# Altium PCB BSU.PcbDoc (part 1 of 3) (continued)
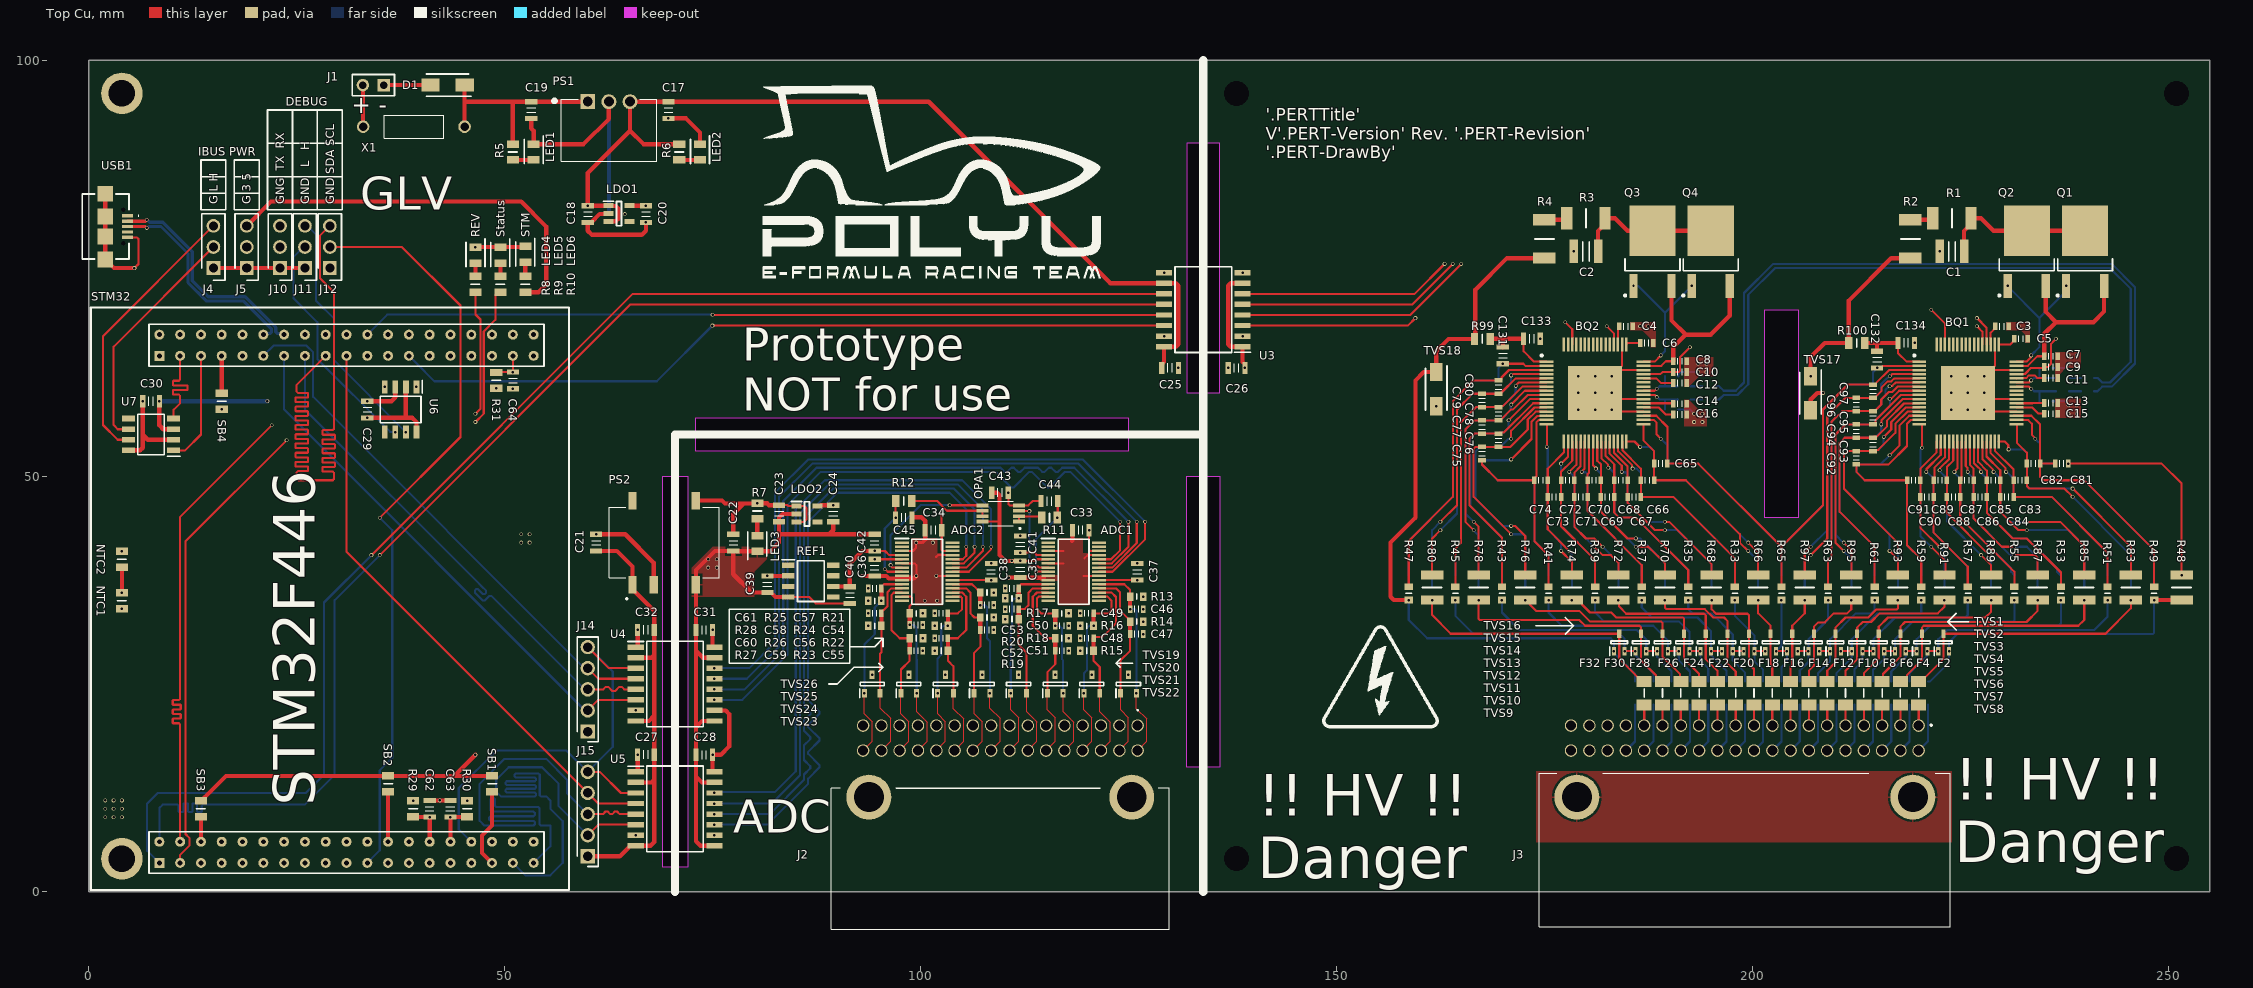
[diagram p0: Top Cu view]
## Classes and differential pairs
net class CAN2_DIFF: CAN_DBG_H CAN_DBG_L
net class CAN1_DIFF: CAN_IBUS_H CAN_IBUS_L
net class UART1_HV: BQ796XX_RX_HV BQ796XX_TX_HV
net class EADC2_HV: ADC2_MISO ADC2_MOSI ADC2_SCK
net class EADC1_HV: ADC1_MISO ADC1_MOSI ADC1_SCK
net class BQ_DAISY: BQ1_DAISY_N BQ1_DAISY_P BQ1_S_N BQ1_S_P BQ2_DAISY_N BQ2_DAISY_P BQ2_S_N BQ2_S_P BQ_ISO_N BQ_ISO_P
differential pair class BQ_DAISY: BQ1_DAISY BQ1_S BQ2_DAISY BQ2_S BQ_ISO
net class UART2: UART_DBG_RX UART_DBG_TX
net class SWD: NRST SWD_CLK SWD_IO SWD_TRACE
net class RTD: RTD0+ RTD1+ RTD2+ RTD3+ RTD4+ RTD5+ RTD6+ RTD7+ RTD8+ RTD9+ RTD10+ RTD11+ RTD12+ RTD13+ RTD14+ RTD15+
net class I2C: I2C_SCL I2C_SDA
net class EADC2: EADC2_MISO EADC2_MOSI EADC2_SCK
net class CAN2: CAN_DBG_RX CAN_DBG_TX
net class CAN1: CAN_IBUS_RX CAN_IBUS_TX
net class EADC1: EADC1_MISO EADC1_MOSI EADC1_SCK
net class USB: USB_N USB_P
net class BT: BT0 BT0_F BT1 BT1_F BT2 BT2_F BT3 BT3_F BT4 BT4_F BT5 BT5_F BT6 BT6_F BT7 BT7_F BT8 BT8_F BT9 BT9_F BT10 BT10_F BT11 BT11_F BT12 BT12_F BT13 BT13_F BT14 BT14_F BT15 BT15_F BT16 BT16_F BT17 BT17_F BT18 BT18_F BT19 BT19_F BT20 BT20_F BT21 BT21_F BT22 BT22_F BT23 BT23_F BT24 BT24_F BT25 BT25_F BT26 BT26_F BT27 BT27_F BT28 BT28_F BT29 BT29_F BT30 BT30_F BT31 BT31_F BT32 BT32_F CB0 CB1 CB2 CB3 CB4 CB5 CB6 CB7 CB8 CB9 CB10 CB11 CB12 CB13 CB14 CB15 CB16 CB17 CB18 CB19 CB20 CB21 CB22 CB23 CB24 CB25 CB26 CB27 CB28 CB29 CB30 CB31 CB32 VC0 VC1 VC2 VC3 VC4 VC5 VC6 VC7 VC8 VC9 VC10 VC11 VC12 VC13 VC14 VC15 VC16 VC17 VC18 VC19 VC20 VC21 VC22 VC23 VC24 VC25 VC26 VC27 VC28 VC29 VC30 VC31 VC32
component class BSU_Sensing: C65 C66 C67 C68 C69 C70 C71 C72 C73 C74 C75 C76 C77 C78 C79 C80 C81 C82 C83 C84 C85 C86 C87 C88 C89 C90 C91 C92 C93 C94 C95 C96 C97 C98 C99 C100 C101 C102 C103 C104 C105 C106 C107 C108 C109 C110 C111 C112 C113 C114 C115 C116 C117 C118 C119 C120 C121 C122 C123 C124 C125 C126 C127 C128 C129 C130 C131 C132 C133 C134 F1 F2 F3 F4 F5 F6 F7 F8 F9 F10 F11 F12 F13 F14 F15 F16 F17 F18 F19 F20 F21 F22 F23 F24 F25 F26 F27 F28 F29 F30 F31 F32 F33 R32 R33 R34 R35 R36 R37 R38 R39 R40 R41 R42 R43 R44 R45 R46 R47 R48 R49 R50 R51 R52 R53 R54 R55 R56 R57 R58 R59 R60 R61 R62 R63 R64 R65 R66 R67 R68 R69 R70 R71 R72 R73 R74 R75 R76 R77 R78 R79 R80 R81 R82 R83 R84 R85 R86 R87 R88 R89 R90 R91 R92 R93 R94 R95 R96 R97 R98 R99 R100
component class BSU_RTD: C46 C47 C48 C49 C50 C51 C52 C53 C54 C55 C56 C57 C58 C59 C60 C61 C62 C63 C64 NTC1 NTC2 NTC3 R13 R14 R15 R16 R17 R18 R19 R20 R21 R22 R23 R24 R25 R26 R27 R28 R29 R30 R31
component class BSU_Power: C17 C18 C19 C20 C21 C22 C23 C24 D1 LDO1 LDO2 LED1 LED2 LED3 LED4 LED5 LED6 PS1 PS2 R5 R6 R7 R8 R9 R10 X1
component class BSU_ESD: TVS1 TVS2 TVS3 TVS4 TVS5 TVS6 TVS7 TVS8 TVS9 TVS10 TVS11 TVS12 TVS13 TVS14 TVS15 TVS16 TVS17 TVS18 TVS19 TVS20 TVS21 TVS22 TVS23 TVS24 TVS25 TVS26
component class BSU_EADC: ADC1 ADC2 C33 C34 C35 C36 C37 C38 C39 C40 C41 C42 C43 C44 C45 OPA1 R11 R12 REF1
component class BSU_Connector: J1 J2 J3 J4 J5 J10 J11 J12 J14 J15 SB1 SB2 SB3 SB4 STM32 USB1
component class BSU_Comm: C25 C26 C27 C28 C29 C30 C31 C32 C135 C136 C137 C138 C139 C140 C141 C142 R101 R102 R103 R104 R105 R106 U3 U4 U5 U6 U7
component class BSU_BQ796XX: BQ1 BQ2 C1 C2 C3 C4 C5 C6 C7 C8 C9 C10 C11 C12 C13 C14 C15 C16 Q1 Q2 Q3 Q4 R1 R2 R3 R4
differential pair BQ2_S: +BQ2_S_P -BQ2_S_N
differential pair BQ_ISO: +BQ_ISO_P -BQ_ISO_N
differential pair BQ1_S: +BQ1_S_P -BQ1_S_N
differential pair BQ1_DAISY: +BQ1_DAISY_P -BQ1_DAISY_N
differential pair BQ2_DAISY: +BQ2_DAISY_P -BQ2_DAISY_N
differential pair USB: +USB_P -USB_N

## Components (designator, comment, footprint, x,y, rotation, side; value= is the part's Value field where it differs from the comment)
ADC1 "ADS7951QDBTRQ1" TSSOP30_ADS7951 118.4,38.5 r0 top
ADC2 "ADS7951QDBTRQ1" TSSOP30_ADS7951 100.8,38.5 r0 top
BQ1 "BQ79616PAPR" HTQFP65_BQ79616 225.9,60 r0 top locked
BQ2 "BQ79616PAPR" HTQFP65_BQ79616 181.1,60 r0 top locked
C1 "220n" 1210_SMD_C 224,77 r180 top
C2 "220n" 1210_SMD_C 180,77 r180 top
C3 "1u" 0603_SMD_C 230,68 r0 top
C4 "1u" 0603_SMD_C 184.8,68 r0 top
C5 "2.2u" 0603_SMD_C 232.3,66.5 r0 top
C6 "2.2u" 0603_SMD_C 187.3,66 r0 top
C7 "0.1u" 0603_SMD_C 235.9,64.4 r180 top
C8 "0.1u" 0603_SMD_C 191.3,63.8 r180 top
C9 "4.7u" 0603_SMD_C 235.9,63.1 r0 top
C10 "4.7u" 0603_SMD_C 191.3,62.5 r0 top
C11 "0.1u" 0603_SMD_C 235.9,61.8 r180 top
C12 "0.1u" 0603_SMD_C 191.3,61.2 r180 top
C13 "1u" 0603_SMD_C 235.9,58.8 r180 top
C14 "1u" 0603_SMD_C 191.3,58.7 r180 top
C15 "1u" 0603_SMD_C 235.9,57.5 r180 top
C16 "1u" 0603_SMD_C 191.3,57.4 r180 top
C17 "22u" 0805_SMD_C 69.7,94 r90 top
C18 "1u" 0805_SMD_C 60,81.5 r90 top
C19 "10u" 0805_SMD_C 53.2,94 r90 top
C20 "1u" 0805_SMD_C 67,81.5 r90 top
C21 "1u" 0805_SMD_C 61,42 r90 top
C22 "10u" 0805_SMD_C 77.5,42 r90 top
C23 "1u" 0805_SMD_C 83,45.5 r90 top
C24 "1u" 0805_SMD_C 89.5,45.5 r90 top
C25 "100n" 0805_SMD_C 130,63 r180 top
C26 "100n" 0805_SMD_C 138,63 r0 top
C27 "100n" 0805_SMD_C 67,16.5 r180 top locked
C28 "100n" 0805_SMD_C 74,16.5 r0 top locked
C29 "100n" 0805_SMD_C 33.5,58 r90 top
C30 "100n" 0805_SMD_C 7.5,59 r0 top
C31 "100n" 0805_SMD_C 74,31.5 r0 top locked
C32 "100n" 0805_SMD_C 67,31.5 r180 top locked
C33 "1u" 0805_SMD_C 119.262,43.5 r180 top
C34 "1u" 0805_SMD_C 101.562,43.5 r180 top
C35 "1u" 0805_SMD_C 112,38.8 r270 top
C36 "1u" 0805_SMD_C 94.5,39 r270 top
C37 "1u" 0805_SMD_C 126.062,38.5 r270 top
C38 "1u" 0805_SMD_C 108.5,38.5 r270 top
C39 "1u" 0805_SMD_C 81.6,37 r270 top
C40 "22u" 0805_SMD_C 91.5,35.7 r90 top
C41 "10u" 0805_SMD_C 112,41.8 r270 top
C42 "10u" 0805_SMD_C 94.5,42 r270 top
C43 "10u" 0805_SMD_C 109.558,48.006 r180 top
C44 "150p" 0805_SMD_C 115.5,47 r0 top
C45 "150p" 0805_SMD_C 98,45 r180 top
C46 "150p" 0603_SMD_C 126,34 r180 top
C47 "150p" 0603_SMD_C 126,31 r180 top
C48 "150p" 0603_SMD_C 120,30.5 r0 top
C49 "150p" 0603_SMD_C 120,33.5 r0 top
C50 "150p" 0603_SMD_C 117,32 r180 top
C51 "150p" 0603_SMD_C 117,29 r180 top
C52 "150p" 0603_SMD_C 111,34 r0 top
C53 "150p" 0603_SMD_C 111,36.5 r0 top
C54 "150p" 0603_SMD_C 108,34.5 r180 top
C55 "150p" 0603_SMD_C 108,31.5 r180 top
C56 "150p" 0603_SMD_C 102.5,30.5 r0 top
C57 "150p" 0603_SMD_C 102.5,33.5 r0 top
C58 "150p" 0603_SMD_C 99.5,32.1 r180 top
C59 "150p" 0603_SMD_C 99.5,29 r180 top
C60 "150p" 0603_SMD_C 94.5,33.5 r0 top
C61 "150p" 0603_SMD_C 94.5,36.5 r0 top
C62 "150p" 0805_SMD_C 41,10 r270 top
C63 "150p" 0805_SMD_C 43.5,10 r270 top
C64 "150p" 0805_SMD_C 51,61.5 r90 top
C65 "470n" 0603_SMD_C 189,51.5 r180 top
C66 "470n" 0603_SMD_C 187.4,49.5 r180 top
C67 "470n" 0603_SMD_C 185.8,47.5 r180 top
C68 "470n" 0603_SMD_C 184.2,49.5 r180 top
C69 "470n" 0603_SMD_C 182.6,47.5 r180 top
C70 "470n" 0603_SMD_C 181,49.5 r180 top
C71 "470n" 0603_SMD_C 179.4,47.5 r180 top
C72 "470n" 0603_SMD_C 177.8,49.5 r180 top
C73 "470n" 0603_SMD_C 176.2,47.5 r180 top
C74 "470n" 0603_SMD_C 174.6,49.5 r180 top
C75 "470n" 0603_SMD_C 167.5,52.7 r90 top
C76 "470n" 0603_SMD_C 169.5,54.3 r90 top
C77 "470n" 0603_SMD_C 167.5,55.9 r90 top
C78 "470n" 0603_SMD_C 169.5,57.5 r90 top
C79 "470n" 0603_SMD_C 167.5,59.1 r90 top
C80 "470n" 0603_SMD_C 169.5,60.7 r90 top
C81 "470n" 0603_SMD_C 237.2,51.5 r0 top
C82 "470n" 0603_SMD_C 233.8,51.5 r180 top
C83 "470n" 0603_SMD_C 232.2,49.5 r180 top
C84 "470n" 0603_SMD_C 230.6,47.5 r180 top
C85 "470n" 0603_SMD_C 229,49.5 r180 top
C86 "470n" 0603_SMD_C 227.4,47.5 r180 top
C87 "470n" 0603_SMD_C 225.8,49.5 r180 top
C88 "470n" 0603_SMD_C 224.2,47.5 r180 top
C89 "470n" 0603_SMD_C 222.6,49.5 r180 top
C90 "470n" 0603_SMD_C 221,47.5 r180 top
C91 "470n" 0603_SMD_C 219.4,49.5 r180 top
C92 "470n" 0603_SMD_C 212.5,52.2 r90 top
C93 "470n" 0603_SMD_C 214.5,53.8 r90 top
C94 "470n" 0603_SMD_C 212.5,55.4 r90 top
C95 "470n" 0603_SMD_C 214.5,57 r90 top
C96 "470n" 0603_SMD_C 212.5,58.6 r90 top
C97 "470n" 0603_SMD_C 214.5,60.2 r90 top
C98 "470n" 0603_SMD_C 189,51.5 r180 bottom
C99 "470n" 0603_SMD_C 187.4,49.5 r180 bottom
C100 "470n" 0603_SMD_C 185.8,47.5 r180 bottom
C101 "470n" 0603_SMD_C 184.2,49.5 r180 bottom
C102 "470n" 0603_SMD_C 182.6,47.5 r180 bottom
C103 "470n" 0603_SMD_C 181,49.5 r180 bottom
C104 "470n" 0603_SMD_C 179.4,47.5 r180 bottom
C105 "470n" 0603_SMD_C 177.8,49.5 r180 bottom
C106 "470n" 0603_SMD_C 176.2,47.5 r180 bottom
C107 "470n" 0603_SMD_C 174.6,49.5 r180 bottom
C108 "470n" 0603_SMD_C 167.5,52.7 r90 bottom
C109 "470n" 0603_SMD_C 169.5,54.3 r90 bottom
C110 "470n" 0603_SMD_C 167.5,55.9 r90 bottom
C111 "470n" 0603_SMD_C 169.5,57.5 r90 bottom
C112 "470n" 0603_SMD_C 167.5,59.1 r90 bottom
C113 "470n" 0603_SMD_C 169.5,60.7 r90 bottom
C114 "470n" 0603_SMD_C 237.2,51.5 r180 bottom
C115 "470n" 0603_SMD_C 233.8,51.5 r180 bottom
C116 "470n" 0603_SMD_C 232.2,49.5 r180 bottom
C117 "470n" 0603_SMD_C 230.6,47.5 r180 bottom
C118 "470n" 0603_SMD_C 229,49.5 r180 bottom
C119 "470n" 0603_SMD_C 227.4,47.5 r180 bottom
C120 "470n" 0603_SMD_C 225.8,49.5 r180 bottom
C121 "470n" 0603_SMD_C 224.2,47.5 r180 bottom
C122 "470n" 0603_SMD_C 222.6,49.5 r180 bottom
C123 "470n" 0603_SMD_C 221,47.5 r180 bottom
C124 "470n" 0603_SMD_C 219.4,49.5 r180 bottom
C125 "470n" 0603_SMD_C 212.5,52.2 r90 bottom
C126 "470n" 0603_SMD_C 214.5,53.8 r90 bottom
C127 "470n" 0603_SMD_C 212.5,55.4 r90 bottom
C128 "470n" 0603_SMD_C 214.5,57 r90 bottom
C129 "470n" 0603_SMD_C 212.5,58.6 r90 bottom
C130 "470n" 0603_SMD_C 214.5,60.2 r90 bottom
C131 "470n" 0805_SMD_C 170,64.5 r90 top
C132 "470n" 0805_SMD_C 215,64 r90 top
C133 "10n" 0805_SMD_C 173.5,66.5 r180 top
C134 "10n" 0805_SMD_C 218.5,66 r180 top
C135 "220p" 0603_SMD_C 235.3,63 r180 bottom
C136 "220p" 0603_SMD_C 235.3,59 r180 bottom
C137 "2.2n" 0603_SMD_C 240.3,60.2 r180 bottom
C138 "2.2n" 0603_SMD_C 240.3,61.8 r180 bottom
C139 "2.2n" 0603_SMD_C 194.8,60.8 r180 bottom
C140 "2.2n" 0603_SMD_C 194.8,59.2 r180 bottom
C141 "220p" 0603_SMD_C 190.3,62 r180 bottom
C142 "220p" 0603_SMD_C 190.3,58 r180 bottom
D1 "824500241" SMA_824500241 43.15,97 r180 top locked
F1 "C1Q_1" 1206_C1Q 221.1,23.9 r90 bottom locked
F2 "C1Q_1" 1206_C1Q 220,23.9 r90 top locked
F3 "C1Q_1" 1206_C1Q 218.9,23.9 r90 bottom locked
F4 "C1Q_1" 1206_C1Q 217.8,23.9 r90 top locked
F5 "C1Q_1" 1206_C1Q 216.7,23.9 r90 bottom locked
F6 "C1Q_1" 1206_C1Q 215.6,23.9 r90 top locked
F7 "C1Q_1" 1206_C1Q 214.5,23.9 r90 bottom locked
F8 "C1Q_1" 1206_C1Q 213.4,23.9 r90 top locked
F9 "C1Q_1" 1206_C1Q 212.3,23.9 r90 bottom locked
F10 "C1Q_1" 1206_C1Q 211.2,23.9 r90 top locked
F11 "C1Q_1" 1206_C1Q 210.1,23.9 r90 bottom locked
F12 "C1Q_1" 1206_C1Q 209,23.9 r90 top locked
F13 "C1Q_1" 1206_C1Q 207.9,23.9 r90 bottom locked
F14 "C1Q_1" 1206_C1Q 206.8,23.9 r90 top locked
F15 "C1Q_1" 1206_C1Q 205.7,23.9 r90 bottom locked
F16 "C1Q_1" 1206_C1Q 204.6,23.9 r90 top locked
F17 "C1Q_1" 1206_C1Q 203.5,23.9 r90 bottom locked
F18 "C1Q_1" 1206_C1Q 202.4,23.9 r90 top locked
F19 "C1Q_1" 1206_C1Q 201.3,23.9 r90 bottom locked
F20 "C1Q_1" 1206_C1Q 200.2,23.9 r90 top locked
F21 "C1Q_1" 1206_C1Q 199.1,23.9 r90 bottom locked
F22 "C1Q_1" 1206_C1Q 198,23.9 r90 top locked
F23 "C1Q_1" 1206_C1Q 196.9,23.9 r90 bottom locked
F24 "C1Q_1" 1206_C1Q 195.8,23.9 r90 top locked
F25 "C1Q_1" 1206_C1Q 194.7,23.9 r90 bottom locked
F26 "C1Q_1" 1206_C1Q 193.6,23.9 r90 top locked
F27 "C1Q_1" 1206_C1Q 192.5,23.9 r90 bottom locked
F28 "C1Q_1" 1206_C1Q 191.4,23.9 r90 top locked
F29 "C1Q_1" 1206_C1Q 190.3,23.9 r90 bottom locked
F30 "C1Q_1" 1206_C1Q 189.2,23.9 r90 top locked
F31 "C1Q_1" 1206_C1Q 188.1,23.9 r90 bottom locked
F32 "C1Q_1" 1206_C1Q 187,23.9 r90 top locked
F33 "C1Q_1" 1206_C1Q 185.9,23.9 r90 bottom locked
J1 "Header 1x2" HDR_1X2_2.54_THD 35.5,97 r180 top locked
J2 "1318745-2" TH025_32P 126.1,20 r270 top locked
J3 "1318384-2" TH025_40P 220,20 r270 top locked
J4 "Header 1x3" HDR_1X3_2.54_THD 15,75 r90 top locked
J5 "Header 1x3" HDR_1X3_2.54_THD 19,75 r90 top locked
J10 "Header 1x3" HDR_1X3_2.54_THD 23,75 r90 top locked
J11 "Header 1x3" HDR_1X3_2.54_THD 26,75 r90 top locked
J12 "Header 1x3" HDR_1X3_2.54_THD 29,75 r90 top locked
J14 "Header 1x5" HDR_1X5_2.54_THD 60,19.285 r90 top
J15 "Header 1x5" HDR_1X5_2.54_THD 60,4.285 r90 top
LDO1 "TLV75533PDBVR" SOT23-5_TLV75533 63.75,81.55 r0 top
LDO2 "TLV75533PDBVR" SOT23-5_TLV75533 86.35,45.45 r0 top
LED1 "RED" 0805_SMD_LED 53.5,88.95 r270 top
LED2 "RED" 0805_SMD_LED 73.5,88.95 r270 top
LED3 "RED" 0805_SMD_LED 80.39,41.9 r90 top
LED4 "RED" 0805_SMD_LED 46.5,76.55 r270 top locked
LED5 "GREEN" 0805_SMD_LED 49.5,76.55 r270 top locked
LED6 "RED" 0805_SMD_LED 52.5,76.65 r270 top locked
NTC1 "NTCS0805E3104JXT" 0805_SMD_R 4,35 r270 top
NTC2 "NTCS0805E3104JXT" 0805_SMD_R 4,40 r90 top
NTC3 "NTCS0805E3104JXT" 0805_SMD_R 63.5,81.5 r0 bottom locked
OPA1 "OPA2192IDGKT" VSSOP8_OPA2192 109.662,45.5 r90 top
PS1 "VXO7805-1000" VXO78xx-1000 60,95 r0 top
PS2 "PDSE1-S24-S5-M" PDSE1-Sxx-Sx-M 69.19,42 r90 top locked
Q1 "ZXTN4004KTC" TO252-3_ZXTN4004K 240,77 r90 top
Q2 "ZXTN4004KTC" TO252-3_ZXTN4004K 233,77 r90 top
Q3 "ZXTN4004KTC" TO252-3_ZXTN4004K 188,77 r90 top
Q4 "ZXTN4004KTC" TO252-3_ZXTN4004K 195,77 r90 top
R1 "200" 2010_SMD_R 224,81 r180 top
R2 "100" 2010_SMD_R 219,78.5 r270 top
R3 "200" 2010_SMD_R 180,81 r180 top
R4 "100" 2010_SMD_R 175,78.5 r270 top
R5 "20k" 0805_SMD_R 51,88.95 r90 top
R6 "200" 0805_SMD_R 71,88.95 r90 top
R7 "200" 0805_SMD_R 80.39,45.8 r90 top
R8 "200" 0805_SMD_R 46.5,73.05 r270 top locked
R9 "200" 0805_SMD_R 49.5,73.05 r270 top locked
R10 "200" 0805_SMD_R 52.5,73.05 r270 top locked
R11 "100" 0805_SMD_R 115.5,45 r0 top
R12 "100" 0805_SMD_R 98,47 r180 top
R13 "100k" 0603_SMD_R 126,35.5 r0 top
R14 "100k" 0603_SMD_R 126,32.5 r0 top
R15 "100k" 0603_SMD_R 120,29 r180 top
R16 "100k" 0603_SMD_R 120,32 r180 top
R17 "100k" 0603_SMD_R 117,33.5 r0 top
R18 "100k" 0603_SMD_R 117,30.5 r0 top
R19 "100k" 0603_SMD_R 111,32.8 r180 top
R20 "100k" 0603_SMD_R 111,35.3 r180 top
R21 "100k" 0603_SMD_R 108,36 r0 top
R22 "100k" 0603_SMD_R 108,33 r0 top
R23 "100k" 0603_SMD_R 102.5,29 r180 top
R24 "100k" 0603_SMD_R 102.5,32 r180 top
R25 "100k" 0603_SMD_R 99.5,33.5 r0 top
R26 "100k" 0603_SMD_R 99.5,30.5 r0 top
R27 "100k" 0603_SMD_R 94.5,32 r180 top
R28 "100k" 0603_SMD_R 94.5,35 r180 top
R29 "100k" 0805_SMD_R 39,10 r90 top
R30 "100k" 0805_SMD_R 45.5,10 r90 top
R31 "100k" 0805_SMD_R 49,61.5 r270 top
R32 "100" 0603_SMD_R 200.7,35.9 r90 bottom
R33 "100" 0603_SMD_R 197.9,35.9 r90 top
R34 "100" 0603_SMD_R 195.1,35.9 r90 bottom
R35 "100" 0603_SMD_R 192.3,35.9 r90 top
R36 "100" 0603_SMD_R 189.5,35.9 r90 bottom
R37 "100" 0603_SMD_R 186.7,35.9 r90 top
R38 "100" 0603_SMD_R 183.9,35.9 r90 bottom
R39 "100" 0603_SMD_R 181.1,35.9 r90 top
R40 "100" 0603_SMD_R 178.3,35.9 r90 bottom
R41 "100" 0603_SMD_R 175.5,35.9 r90 top
R42 "100" 0603_SMD_R 172.7,35.9 r90 bottom
R43 "100" 0603_SMD_R 169.9,35.9 r90 top
R44 "100" 0603_SMD_R 167.1,35.9 r90 bottom
R45 "100" 0603_SMD_R 164.3,35.9 r90 top
R46 "100" 0603_SMD_R 161.5,35.9 r90 bottom
R47 "100" 0603_SMD_R 158.7,35.9 r90 top
R48 "0" 1210_SMD_R 251.6,36.6 r270 top
R49 "100" 0603_SMD_R 248.3,35.9 r90 top
R50 "100" 0603_SMD_R 245.5,35.9 r90 bottom
R51 "100" 0603_SMD_R 242.7,35.9 r90 top
R52 "100" 0603_SMD_R 239.9,35.9 r90 bottom
R53 "100" 0603_SMD_R 237.1,35.9 r90 top
R54 "100" 0603_SMD_R 234.3,35.9 r90 bottom
R55 "100" 0603_SMD_R 231.5,35.9 r90 top
R56 "100" 0603_SMD_R 228.7,35.9 r90 bottom
R57 "100" 0603_SMD_R 225.9,35.9 r90 top
R58 "100" 0603_SMD_R 223.1,35.9 r90 bottom
R59 "100" 0603_SMD_R 220.3,35.9 r90 top
R60 "100" 0603_SMD_R 217.5,35.9 r90 bottom
R61 "100" 0603_SMD_R 214.7,35.9 r90 top
R62 "100" 0603_SMD_R 211.9,35.9 r90 bottom
R63 "100" 0603_SMD_R 209.1,35.9 r90 top
R64 "100" 0603_SMD_R 206.3,35.9 r90 bottom
R65 "100" 0603_SMD_R 203.5,35.9 r90 top
R66 "10" 1210_SMD_R 200.7,36.6 r90 top
R67 "10" 1210_SMD_R 197.9,36.6 r90 bottom
R68 "10" 1210_SMD_R 195.1,36.6 r90 top
R69 "10" 1210_SMD_R 192.3,36.6 r90 bottom
R70 "10" 1210_SMD_R 189.5,36.6 r90 top
R71 "10" 1210_SMD_R 186.7,36.6 r90 bottom
R72 "10" 1210_SMD_R 183.9,36.6 r90 top
R73 "10" 1210_SMD_R 181.1,36.6 r90 bottom
R74 "10" 1210_SMD_R 178.3,36.6 r90 top
R75 "10" 1210_SMD_R 175.5,36.6 r90 bottom
R76 "10" 1210_SMD_R 172.7,36.6 r90 top
R77 "10" 1210_SMD_R 169.9,36.6 r90 bottom
R78 "10" 1210_SMD_R 167.1,36.6 r90 top
R79 "10" 1210_SMD_R 164.3,36.6 r90 bottom
R80 "10" 1210_SMD_R 161.5,36.6 r90 top
R81 "10" 1210_SMD_R 158.7,36.6 r90 bottom
R82 "10" 1210_SMD_R 248.3,36.6 r90 bottom
R83 "10" 1210_SMD_R 245.5,36.6 r90 top
R84 "10" 1210_SMD_R 242.7,36.6 r90 bottom
R85 "10" 1210_SMD_R 239.9,36.6 r90 top
R86 "10" 1210_SMD_R 237.1,36.6 r90 bottom
R87 "10" 1210_SMD_R 234.3,36.6 r90 top
R88 "10" 1210_SMD_R 231.5,36.6 r90 bottom
R89 "10" 1210_SMD_R 228.7,36.6 r90 top
R90 "10" 1210_SMD_R 225.9,36.6 r90 bottom
R91 "10" 1210_SMD_R 223.1,36.6 r90 top
R92 "10" 1210_SMD_R 220.3,36.6 r90 bottom
R93 "10" 1210_SMD_R 217.5,36.6 r90 top
R94 "10" 1210_SMD_R 214.7,36.6 r90 bottom
R95 "10" 1210_SMD_R 211.9,36.6 r90 top
R96 "10" 1210_SMD_R 209.1,36.6 r90 bottom
R97 "10" 1210_SMD_R 206.3,36.6 r90 top
R98 "10" 1210_SMD_R 203.5,36.6 r90 bottom
R99 "30" 0805_SMD_R 167.55,66.5 r0 top
R100 "30" 0805_SMD_R 212.55,66 r0 top
R101 "1k" 0603_SMD_R 234.5,61 r270 bottom
R102 "51" 0603_SMD_R 237.3,60.2 r180 bottom
R103 "51" 0603_SMD_R 237.3,61.8 r180 bottom
R104 "51" 0603_SMD_R 191.8,60.8 r180 bottom
R105 "51" 0603_SMD_R 191.8,59.2 r180 bottom
R106 "1k" 0603_SMD_R 189.5,60 r270 bottom
REF1 "REF5025AIDR" SOIC8_REF5025 86.812,37.365 r0 top
SB1 "0" 0805_SMD_R 48.5,13 r90 top
SB2 "0" 0805_SMD_R 36,13 r270 top
SB3 "0" 0805_SMD_R 13.5,10 r270 top locked
SB4 "0" 0805_SMD_R 16,59 r270 top
STM32 "Nucleo-F446RE" NUCLEO-F446RE 53.5,3.5 r90 top locked
TVS1 "ESDA041-2W3Y" SOT323-3_ESDA041-2W3Y 223,30 r90 top locked
TVS2 "ESDA041-2W3Y" SOT323-3_ESDA041-2W3Y 220.4,30 r90 top locked
TVS3 "ESDA041-2W3Y" SOT323-3_ESDA041-2W3Y 217.8,30 r90 top locked
TVS4 "ESDA041-2W3Y" SOT323-3_ESDA041-2W3Y 215.2,30 r90 top locked
TVS5 "ESDA041-2W3Y" SOT323-3_ESDA041-2W3Y 212.6,30 r90 top locked
TVS6 "ESDA041-2W3Y" SOT323-3_ESDA041-2W3Y 210,30 r90 top locked
TVS7 "ESDA041-2W3Y" SOT323-3_ESDA041-2W3Y 207.4,30 r90 top locked
TVS8 "ESDA041-2W3Y" SOT323-3_ESDA041-2W3Y 204.8,30 r90 top locked
TVS9 "ESDA041-2W3Y" SOT323-3_ESDA041-2W3Y 202.2,30 r90 top locked
TVS10 "ESDA041-2W3Y" SOT323-3_ESDA041-2W3Y 199.6,30 r90 top locked
TVS11 "ESDA041-2W3Y" SOT323-3_ESDA041-2W3Y 197,30 r90 top locked
TVS12 "ESDA041-2W3Y" SOT323-3_ESDA041-2W3Y 194.4,30 r90 top locked
TVS13 "ESDA041-2W3Y" SOT323-3_ESDA041-2W3Y 191.8,30 r90 top locked
TVS14 "ESDA041-2W3Y" SOT323-3_ESDA041-2W3Y 189.2,30 r90 top locked
TVS15 "ESDA041-2W3Y" SOT323-3_ESDA041-2W3Y 186.6,30 r90 top locked
TVS16 "ESDA041-2W3Y" SOT323-3_ESDA041-2W3Y 184,30 r90 top locked
TVS17 "SMAJ75A" SMA_SMAJ75A 207,59.95 r270 top
TVS18 "SMAJ75A" SMA_SMAJ75A 162,60.45 r270 top
TVS19 "PESD5V0U2BT_215" SOT23-3_PESD5V0U2BT 125,25 r90 top locked
TVS20 "PESD5V0U2BT_215" SOT23-3_PESD5V0U2BT 120.6,25 r90 top locked
TVS21 "PESD5V0U2BT_215" SOT23-3_PESD5V0U2BT 116.2,25 r90 top locked
TVS22 "PESD5V0U2BT_215" SOT23-3_PESD5V0U2BT 111.8,25 r90 top locked
TVS23 "PESD5V0U2BT_215" SOT23-3_PESD5V0U2BT 107.4,25 r90 top locked
TVS24 "PESD5V0U2BT_215" SOT23-3_PESD5V0U2BT 103,25 r90 top locked
TVS25 "PESD5V0U2BT_215" SOT23-3_PESD5V0U2BT 98.6,25 r90 top locked
TVS26 "PESD5V0U2BT_215" SOT23-3_PESD5V0U2BT 94.2,25 r90 top locked
U3 "ISO7741FBDW" SOIC16_ISO7741 134,70 r180 top
U4 "ISO7741FBDW" SOIC16_ISO7741 70.5,25 r0 top locked
U5 "ISO7741FBDW" SOIC16_ISO7741 70.5,10 r0 top locked
U6 "TJA1050T_CM_118" SOIC8_TJA1050 37.5,58 r270 top
U7 "TJA1050T_CM_118" SOIC8_TJA1050 7.5,55 r180 top
USB1 "UJ2-MIBH-G-SMT-TR" USB_B_5P_SMD 2,80 r270 top locked
X1 "Littelfuse 0251.500" "LITTELFUSE 0251" 33,92 r0 top locked

## Footprints (in the part's own frame and the unit in brackets; to place one, negate y for a bottom-side part, rotate by r counter-clockwise, add the part's x,y. Pads: shape width x height; smd on the part's side, far side on the other; paste and mask are expansions set on the pad)
0603_SMD_C [mm]
  rect 0.54x0.94 smd: 1(-0.8,0) 2(0.8,0)
  silkscreen extent -0.25,-0.38 0.25,0.38, body extent -0.84,-0.42 0.76,0.38, height 0.9
0603_SMD_R [mm]
  rect 0.8x1 smd: 1(-0.8,0) 2(0.8,0)
  silkscreen extent 0,-0.33 0,0.33, body extent -0.77,-0.43 0.77,0.43, height 0.45
0805_SMD_C [mm]
  rect 0.62x1.47 smd: 1(-1,0) 2(1,0)
  silkscreen extent -0.25,-0.54 0.25,0.51, body extent -1,-0.63 1,0.63, height 1.45
0805_SMD_LED [mm]
  rect 0.9x1.45 smd: 1(-0.95,0) 2(0.95,0)
  silkscreen extent -1.95,-1.14 1.4,1.14
0805_SMD_R [mm]
  rect 0.9x1.45 smd: 1(-0.95,0) 2(0.95,0)
  silkscreen extent 0,-0.53 0,0.53, body extent -1,-0.63 1,0.63, height 0.45
1206_C1Q [mm]
  rect 1.32x1.8 smd: 1(-1.395,0) 2(1.395,0)
  silkscreen extent -0.51,0 0.51,0, body extent -1.6,-0.78 1.6,0.8, height 0.78
1210_SMD_C [mm]
  rect 1.02x2.82 smd: 1(-1.45,0) 2(1.45,0)
  silkscreen extent -0.38,-1.15 0.38,1.14, body extent -1.6,-1.25 1.6,1.25, height 2.8
1210_SMD_R [mm]
  rect 1.1x2.7 smd: 1(-1.5,0) 2(1.5,0)
  silkscreen extent 0,-1.15 0,1.15, body extent -1.66,-1.3 1.54,1.2, height 0.6
2010_SMD_R [mm]
  rect 1.35x2.7 smd: 1(-2.3,0) 2(2.3,0)
  silkscreen extent 0,-1.15 0,1.15, body extent -2.51,-1.26 2.49,1.24, height 0.54
HDR_1X2_2.54_THD [mm] "Connector; Header; 2 Position"
  round 1.5 hole 0.9: 1(2.54,0)
  rect 1.5x1.5 hole 0.9: 2(0,0)
  silkscreen extent -1.27,-1.27 3.81,1.27, body extent -1.07,-1.17 3.61,1.17, height 10.38
HDR_1X3_2.54_THD [mm]
  round 1.65 hole 1.1: 1(5.08,0) 2(2.54,0)
  rect 1.65x1.65 / inner round 1.65 / far side rect 1.65x1.65 hole 1.1: 3(0,0)
  silkscreen extent -1.47,-1.4 6.55,1.4, body extent -1.14,-1.21 6.08,1.2, height 8.2
HDR_1X5_2.54_THD [mm]
  round 1.725 hole 1.15: 1(10.16,0) 2(7.62,0) 3(5.08,0) 4(2.54,0)
  rect 1.725x1.725 / inner round 1.725 / far side rect 1.725x1.725 hole 1.15: 5(0,0)
  silkscreen extent -1.21,-1.27 11.37,1.27, body extent -1.07,-1.17 11.23,1.17, height 10.37
HTQFP65_BQ79616 [mm]
  rect 1.675x0.3 smd: 1(-5.838,3.75) 2(-5.838,3.25) 3(-5.838,2.75) 4(-5.838,2.25) 5(-5.838,1.75) 6(-5.838,1.25) 7(-5.838,0.75) 8(-5.838,0.25) 9(-5.838,-0.25) 10(-5.838,-0.75) 11(-5.838,-1.25) 12(-5.838,-1.75) 13(-5.838,-2.25) 14(-5.838,-2.75) 15(-5.838,-3.25) 16(-5.838,-3.75) 33(5.838,-3.75) 34(5.838,-3.25) 35(5.838,-2.75) 36(5.838,-2.25) 37(5.838,-1.75) 38(5.838,-1.25) 39(5.838,-0.75) 40(5.838,-0.25) 41(5.838,0.25) 42(5.838,0.75) 43(5.838,1.25) 44(5.838,1.75) 45(5.838,2.25) 46(5.838,2.75) 47(5.838,3.25) 48(5.838,3.75)
  rect 0.3x1.675 smd: 17(-3.75,-5.838) 18(-3.25,-5.838) 19(-2.75,-5.838) 20(-2.25,-5.838) 21(-1.75,-5.838) 22(-1.25,-5.838) 23(-0.75,-5.838) 24(-0.25,-5.838) 25(0.25,-5.838) 26(0.75,-5.838) 27(1.25,-5.838) 28(1.75,-5.838) 29(2.25,-5.838) 30(2.75,-5.838) 31(3.25,-5.838) 32(3.75,-5.838) 49(3.75,5.838) 50(3.25,5.838) 51(2.75,5.838) 52(2.25,5.838) 53(1.75,5.838) 54(1.25,5.838) 55(0.75,5.838) 56(0.25,5.838) 57(-0.25,5.838) 58(-0.75,5.838) 59(-1.25,5.838) 60(-1.75,5.838) 61(-2.25,5.838) 62(-2.75,5.838) 63(-3.25,5.838) 64(-3.75,5.838)
  rect 6.5x6.5 smd: 65(0,0)
  silkscreen extent -6.55,4.38 -6.3,4.62, body extent -6.02,-6.02 6.02,6.02, height 1.1
"LITTELFUSE 0251" [mm]
  round 1.515 hole 1.01: 1(0,0) 2(12.192,0)
  silkscreen extent 2.55,-1.4 9.66,1.4, body extent -3.38,-1.4 15.57,1.4, height 2.8
NUCLEO-F446RE [mm]
  rect 1.2x1.2 hole 0.6: 1(0,45) 39(60.96,45)
  round 1.2 hole 0.6: 2(0,42.5) 3(0,40) 4(0,37.5) 5(0,35) 6(0,32.5) 7(0,30) 8(0,27.5) 9(0,25) 10(0,22.5) 11(0,20) 12(0,17.5) 13(0,15) 14(0,12.5) 15(0,10) 16(0,7.5) 17(0,5) 18(0,2.5) 19(0,0) 20(2.54,45) 21(2.54,42.5) 22(2.54,40) 23(2.54,37.5) 24(2.54,35) 25(2.54,32.5) 26(2.54,30) 27(2.54,27.5) 28(2.54,25) 29(2.54,22.5) 30(2.54,20) 31(2.54,17.5) 32(2.54,15) 33(2.54,12.5) 34(2.54,10) 35(2.54,7.5) 36(2.54,5) 37(2.54,2.5) 38(2.54,0) 40(60.96,42.5) 41(60.96,40) 42(60.96,37.5) 43(60.96,35) 44(60.96,32.5) 45(60.96,30) 46(60.96,27.5) 47(60.96,25) 48(60.96,22.5) 49(60.96,20) 50(60.96,17.5) 51(60.96,15) 52(60.96,12.5) 53(60.96,10) 54(60.96,7.5) 55(60.96,5) 56(60.96,2.5) 57(60.96,0) 58(63.5,45) 59(63.5,42.5) 60(63.5,40) 61(63.5,37.5) 62(63.5,35) 63(63.5,32.5) 64(63.5,30) 65(63.5,27.5) 66(63.5,25) 67(63.5,22.5) 68(63.5,20) 69(63.5,17.5) 70(63.5,15) 71(63.5,12.5) 72(63.5,10) 73(63.5,7.5) 74(63.5,5) 75(63.5,2.5) 76(63.5,0)
  silkscreen extent -3.25,-4.25 66.75,53.25, body extent -1.25,-1.25 64.75,46.25, height 5
PDSE1-Sxx-Sx-M [mm]
  rect 2.1x1 smd: 1(-5.05,3.81) 2(-5.05,1.27) 4(-5.05,-3.81) 5(5.05,-3.81) 8(5.05,3.81)
  silkscreen extent -6.85,-6.6 4.25,6.6, body extent -6,-6.6 6,6.6, height 7.6
SMA_824500241 [mm]
  rect 2.2x1.55 smd: 1(-2.05,0) 2(2.05,0)
  silkscreen extent -2.83,-1.34 2.56,1.34, body extent -2.56,-1.34 2.56,1.34, height 2.5
SMA_SMAJ75A [mm]
  rect 2.2x1.55 smd: 1(-2.05,0) 2(2.05,0)
  silkscreen extent -2.83,-1.3 2.52,1.3, body extent -2.52,-1.3 2.52,1.3, height 2.29
SOIC8_REF5025 [mm]
  rect 1.525x0.65 smd: 1(-2.712,1.905) 2(-2.712,0.635) 3(-2.712,-0.635) 4(-2.712,-1.905) 5(2.712,-1.905) 6(2.712,-0.635) 7(2.712,0.635) 8(2.712,1.905)
  silkscreen extent -3.47,-2.45 1.6,2.58, body extent -3.01,-2.45 3.01,2.45, height 1.63
SOIC8_TJA1050 [mm]
  rect 1.55x0.7 smd: 1(-2.725,1.905) 2(-2.725,0.635) 3(-2.725,-0.635) 4(-2.725,-1.905) 5(2.725,-1.905) 6(2.725,-0.635) 7(2.725,0.635) 8(2.725,1.905)
  silkscreen extent -3.5,-2.45 1.6,2.61, body extent -3,-2.45 3,2.45, height 1.75
SOIC16_ISO7741 [mm]
  rect 1.95x0.65 smd: 1(-4.725,4.445) 2(-4.725,3.175) 3(-4.725,1.905) 4(-4.725,0.635) 5(-4.725,-0.635) 6(-4.725,-1.905) 7(-4.725,-3.175) 8(-4.725,-4.445) 9(4.725,-4.445) 10(4.725,-3.175) 11(4.725,-1.905) 12(4.725,-0.635) 13(4.725,0.635) 14(4.725,1.905) 15(4.725,3.175) 16(4.725,4.445)
  silkscreen extent -5.7,-5.15 3.4,5.15, body extent -5.17,-5.15 5.17,5.15, height 2.59
SOT23-3_PESD5V0U2BT [mm]
  rect 1.05x0.6 smd: 1(-1.1,0.95) 2(-1.1,-0.95) 3(1.1,0)
  silkscreen extent -1.63,-1.45 0.23,1.5, body extent -1.27,-1.45 1.13,1.45, height 0.91
SOT23-5_TLV75533 [mm]
  rect 1.2x0.6 smd: 1(-1.25,0.95) 2(-1.25,0) 3(-1.25,-0.95) 4(1.25,-0.95) 5(1.25,0.95)
  silkscreen extent -1.85,-1.45 0.3,1.5, body extent -1.4,-1.45 1.4,1.45, height 1.2
SOT323-3_ESDA041-2W3Y [mm]
  rect 1.05x0.5 smd: 1(-1.05,0.65) 2(-1.05,-0.65) 3(1.05,0)
  silkscreen extent -1.58,-1 0.18,1.15, body extent -1.05,-1 1.05,1, height 1.1
TH025_32P [mm]
  round 1.5 hole 1.2: 1(0,0) 2(0,-2.2) 3(0,-4.4) 4(0,-6.6) 5(0,-8.8) 6(0,-11) 7(0,-13.2) 8(0,-15.4) 9(0,-17.6) 10(0,-19.8) 11(0,-22) 12(0,-24.2) 13(0,-26.4) 14(0,-28.6) 15(0,-30.8) 16(0,-33) 17(3,0) 18(3,-2.2) 19(3,-4.4) 20(3,-6.6) 21(3,-8.8) 22(3,-11) 23(3,-13.2) 24(3,-15.4) 25(3,-17.6) 26(3,-19.8) 27(3,-22) 28(3,-24.2) 29(3,-26.4) 30(3,-28.6) 31(3,-30.8) 32(3,-33)
  round 5.4 hole 3.6: MH1(8.6,-0.7) MH2(8.6,-32.3)
  silkscreen extent -1.9,-36.8 24.47,3.8, body extent -0.47,-36.8 24,3.8, height 15.6
TH025_40P [mm]
  round 1.5 hole 1.2: 1(0,0) 2(0,-2.2) 3(0,-4.4) 4(0,-6.6) 5(0,-8.8) 6(0,-11) 7(0,-13.2) 8(0,-15.4) 9(0,-17.6) 10(0,-19.8) 11(0,-22) 12(0,-24.2) 13(0,-26.4) 14(0,-28.6) 15(0,-30.8) 16(0,-33) 17(0,-35.2) 18(0,-37.4) 19(0,-39.6) 20(0,-41.8) 21(3,0) 22(3,-2.2) 23(3,-4.4) 24(3,-6.6) 25(3,-8.8) 26(3,-11) 27(3,-13.2) 28(3,-15.4) 29(3,-17.6) 30(3,-19.8) 31(3,-22) 32(3,-24.2) 33(3,-26.4) 34(3,-28.6) 35(3,-30.8) 36(3,-33) 37(3,-35.2) 38(3,-37.4) 39(3,-39.6) 40(3,-41.8)
  round 5.4 hole 3.6: MH1(8.6,-0.7) MH2(8.6,-41.1)
  silkscreen extent -0.15,-45.6 24.15,3.8, body extent -0.38,-45.53 24.09,3.87, height 15.6
TO252-3_ZXTN4004K [mm]
  rect 2.85x1 smd: 1(-4.15,2.286) 3(-4.15,-2.286)
  rect 6.1x5.55 smd: 4(2.5,0)
  silkscreen extent -5.42,-3.3 -0.9,3.42, body extent -5.78,-3.29 4.13,3.29, height 2.25
TSSOP30_ADS7951 [mm]
  rect 1.675x0.3 smd: 1(-3.038,3.5) 2(-3.038,3) 3(-3.038,2.5) 4(-3.038,2) 5(-3.038,1.5) 6(-3.038,1) 7(-3.038,0.5) 8(-3.038,0) 9(-3.038,-0.5) 10(-3.038,-1) 11(-3.038,-1.5) 12(-3.038,-2) 13(-3.038,-2.5) 14(-3.038,-3) 15(-3.038,-3.5) 16(3.038,-3.5) 17(3.038,-3) 18(3.038,-2.5) 19(3.038,-2) 20(3.038,-1.5) 21(3.038,-1) 22(3.038,-0.5) 23(3.038,0) 24(3.038,0.5) 25(3.038,1) 26(3.038,1.5) 27(3.038,2) 28(3.038,2.5) 29(3.038,3) 30(3.038,3.5)
  silkscreen extent -3.88,-3.9 1.85,4, body extent -3.2,-3.9 3.2,3.9, height 1.13
USB_B_5P_SMD [mm] "UJ2-MIBH-G-SMT-TR"
  rect 0.4x1.35 smd: 1(-1.3,2.675) 2(-0.65,2.675) 3(0,2.675) 4(0.65,2.675) 5(1.3,2.675)
  round 0.275 hole 0.55 unplated: MH1(-2,2.15) MH2(2,2.15)
  rect 1.9x1.9 smd: MP1(-3.95,0) MP2(-1.2,0) MP3(1.2,0) MP4(3.95,0)
  silkscreen extent -3.9,-2.78 3.9,4.04, body extent -4.04,-2.75 4.06,2.9, height 2.83
VSSOP8_OPA2192 [mm]
  rect 0.45x1.45 smd: 1(-0.975,-2.2) 2(-0.325,-2.2) 3(0.325,-2.2) 4(0.975,-2.2) 5(0.975,2.2) 6(0.325,2.2) 7(-0.325,2.2) 8(-0.975,2.2)
  silkscreen extent -1.9,-2.4 1.5,1.5, body extent -1.52,-2.41 1.48,2.49, height 1.1
VXO78xx-1000 [mm]
  rect 1.8x1.8 hole 1.2: 1(0,0)
  round 1.8 hole 1.2: 2(2.54,0) 3(5.08,0)
  silkscreen extent -4.2,-7.18 8.29,0.32, body extent -3.21,-7.12 8.29,0.38, height 17.5